# Altium PCB EPS_v1.PcbDoc (part 2 of 4) (continued)
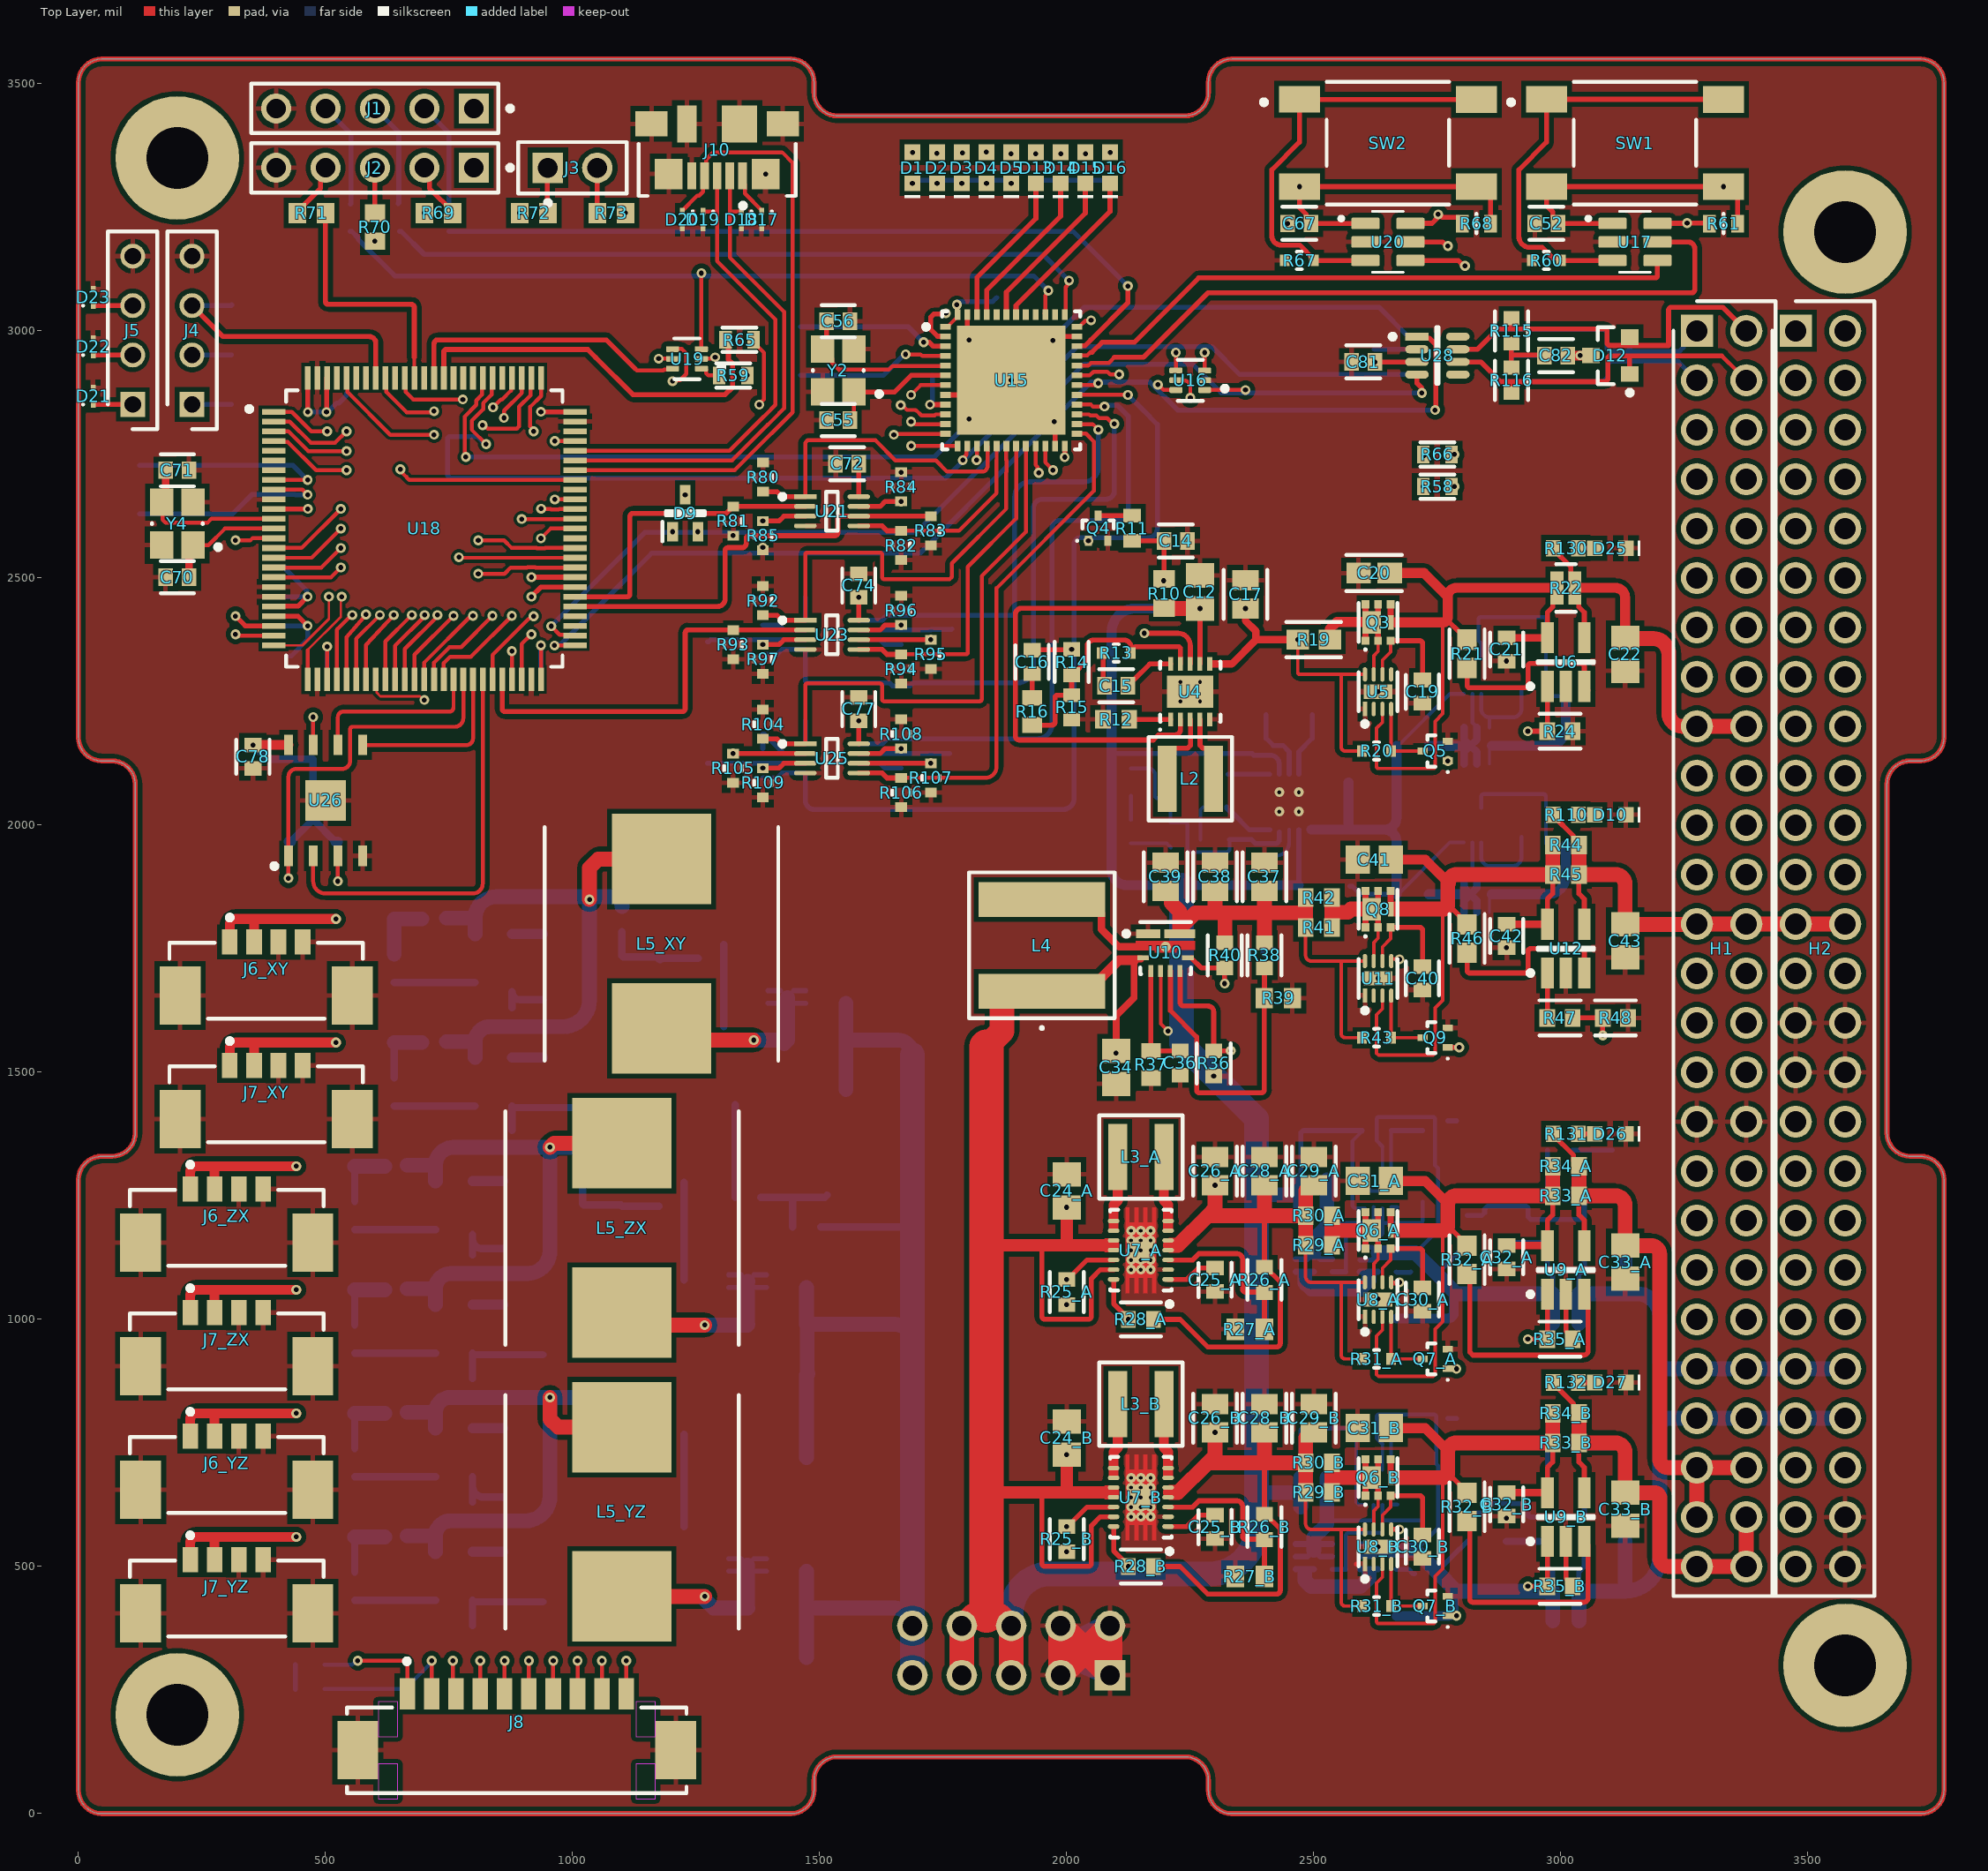
[diagram p0: Top Layer view]
## Part data (continued)
R22 R118_XY R118_YZ R118_ZX R121_XY R121_YZ R121_ZX: library part CMP-28537-000948-1, "25 mOhms ±1% 0.33W Chip Resistor Wide 0306 (0816 Metric), Current Sense Thin Film", Case Code (Imperial)=0306, Case Code (Metric)=0816, Package Quantity=1000, Power Rating=330mW, Resistance=25mR, Temperature Coefficient=200ppm/°C, Tolerance=1%, Height=0.4mm, Length=1.6mm, Packaging="Tape and Reel", RoHS Compliant=Yes, Series=PRL, Technology="THIN FILM", Termination=SMD/SMT, Width=0.8mm
R24 R35_A R35_B R47 R48 R56_M R56_N R57_M R57_N R119_XY R119_YZ R119_ZX R122_XY R122_YZ R122_ZX: library part CMP-2000-00077-5, "RES SMD 4.99KOHM 0.1% 1/10W 0603", Case Code (Imperial)=0603, Case Code (Metric)=1608, Max Operating Temperature=155°C, Max Power Dissipation=100mW, Min Operating Temperature=-55°C, Package Quantity=5000, Resistance=4.99kR, Resistance Tolerance=0.1%, Resistor Type="Thin Film", Temperature Coefficient=25ppm/°C, Voltage Rating=150V, Voltage Rating (DC)=75V, Case/Package=0603, Construction=Rectangular, Contact Plating=Tin, Depth=0.8mm, Features="Automotive AEC-Q200", Height=0.45mm, Lead Free="Lead Free", Length=1.6mm, Military Standard=Not, Mount="Surface Mount", Number of Pins=2, Number of Terminations=2, Packaging="Tape and Reel", Power Rating=100mW, Radiation Hardening=No, Reach SVHC Compliant=Yes, RoHS Compliant=Yes, Series=ERA, Technology="METAL FILM", Termination=SMD/SMT, Tolerance=0.1%, Weight=7.1E-05oz, Width=0.8mm
R27_A R27_B: library part CMP-2000-01245-1, Manufacturer="KOA Speer", Part Number=RK73H1JTTD1803F
R29_A R29_B R30_A R30_B R33_A R33_B R34_A R34_B R41 R42 R44 R45 R49_M R49_N R50_M R50_N R54_M R54_N R55_M R55_N: library part CMP-2000-00867-1, Manufacturer=Panasonic, Part Number=ERJ-L03KF50MV
R37: library part CMP-2000-01698-1, Manufacturer="KOA Speer", Part Number=RK73H1JTTD8252F
R39: library part CMP-2000-00442-1, Manufacturer=Panasonic, Part Number=ERJ-3EKF3323V
R58 R59 R65 R66: library part CMP-00287-21317759-1, "ERJ-P03F1000V SMD Chip Resistor, 100 Ohm, ± 1%, 200 mW, 0603 [1608 Metric], Thick Film, Anti-Surge", Case Code (Imperial)=0603, Case Code (Metric)=1608, Max Operating Temperature=155°C, Min Operating Temperature=-55°C, Power Rating=200mW, Resistance=100Ω, Temperature Coefficient=200ppm/°C, Tolerance=1%, Voltage Rating=150V, Case/Package=0603, Composition="Thick Film", Contact Plating=Tin, Depth=800µm, Height=550µm, Length=1.6mm, Lifecycle Status=Production, Military Standard=Not, Mount="Surface Mount", NexarPartId=21317759, Number of Pins=2, Packaging="Cut Tape", Radiation Hardening=No, REACH SVHC="No SVHC", RoHS=Compliant, Schedule B="8533210045, 8533210045", Termination=Tab, Voltage Rating (DC)=150V
R61 R68 R111 R112 R124_XY R124_YZ R124_ZX R126 R127: library part CMP-2000-00875-2, Case Code (Imperial)=0603, Case Code (Metric)=1608, Max Operating Temperature=155°C, Max Power Dissipation=100mW, Min Operating Temperature=-55°C, Resistance=100kΩ, Temperature Coefficient=25ppm/°C, Tolerance=0.1%, Voltage Rating=75V, Case/Package=0603, Composition="Thin Film", Contact Plating=Tin, Depth=800µm, Features="Automotive AEC-Q200", Height=450µm, Lead Free="Lead Free", Length=1.6mm, Lifecycle Status=Production, Military Standard=Not, Mount="Surface Mount", NexarPartId=1243428, Number of Pins=2, Number of Terminations=2, Packaging="Cut Tape", Power Rating=100mW, Radiation Hardening=No, REACH SVHC="No SVHC", RoHS=Compliant, Schedule B="8533210045, 8533210045", Termination=SMD/SMT, Voltage Rating (DC)=75V, Width=800µm, Working Voltage=75V
R62 R63 R64 R69 R70 R71 R72 R73: library part CMP-2000-00538-1, Manufacturer=Panasonic, Part Number=ERJ-3EKF49R9V
R74 R75 R76 R77 R78 R110 R117 R118 R119 R120 R130 R131 R132: library part CMP-2000-00435-2, "Chip Resistor, 330 Ohm, +/- 1%, 0.1 W, -55 to 155 degC, 0603 (1608 Metric), RoHS, Tape and Reel", Current Rating="500 mA", Max Operating Temperature="85 degC", Min Operating Temperature="-25 degC", Package Quantity=1500, Voltage Rating="10 V", ComponentLink1Description="Manufacturer URL", ComponentLink1URL=http://www.panasonic.com/, ComponentLink2Description=Datasheet, ComponentLink2URL=http://industrial.panasonic.com/cdbs/www-data/pdf/RDA0000/AOA0000C86.pdf, Contact Finish=Gold, Contact Material=Copper, Contact Plating=Gold, DatasheetVersion=Apr-15, Gender=Male, Height="1.45 mm", Lead Pitch="1.1 mm", Length="13.7 mm", Mating Cycles=10000, Mount="Surface Mount", PackageDescription="2-Pin Surface Mount Device, Body 1.6 x 0.85 mm", PackageReference=0603, Packaging="Tape and Reel", Pins=8, REACH SVHC="No SVHC", RoHSCompliant=true, Width="1.45 mm"
R113 R114 R115 R116: library part CMP-13261-005441-1, "Res Thick Film 0603 60.4Ω 1% 0.1W ±100ppm/°C Molded SMD T/R", Case Code (Imperial)=0603, Case Code (Metric)=1608, Max Operating Temperature=155°C, Max Power Dissipation=100mW, Min Operating Temperature=-55°C, Resistance=60.4R, Temperature Coefficient=100ppm/°C, Tolerance=1%, Voltage Rating (DC)=50V, Case/Package=0603, Composition="Thick Film", Contact Plating=Tin, Depth=0.8mm, Features="Moisture Resistant", Height=0.022inch, Lead Free="Lead Free", Length=0.063inch, Military Standard=Not, Number of Terminations=2, Packaging="Tape and Reel", Power Rating=100mW, Radiation Hardening=No, Width=0.031inch
R123_XY R123_YZ R123_ZX: library part CMP-2000-00690-5, "RES SMD 93.1K OHM 1% 1/10W 0603", Case Code (Imperial)=0603, Case Code (Metric)=1608, Max Operating Temperature=155°C, Max Power Dissipation=100mW, Min Operating Temperature=-55°C, Package Quantity=1, Resistance=93.1kR, Resistance Tolerance=1%, Resistor Type="Thick Film", Temperature Coefficient=100ppm/°C, Voltage Rating=75V, Voltage Rating (DC)=50V, Case/Package=0603, Construction=Rectangular, Contact Plating=Tin, Depth=0.8mm, Features="Automotive AEC-Q200", Height=0.022inch, Lead Free="Lead Free", Length=1.6mm, Military Standard=Not, Mount="Surface Mount", Number of Terminations=2, Packaging="Tape and Reel", Power Rating=100mW, Radiation Hardening=No, Reach SVHC Compliant=Yes, RoHS Compliant=Yes, Series=ERJ, Termination=SMD/SMT, Tolerance=1%, Weight=7.1E-05oz, Width=0.8mm
R125: library part CMP-2000-00414-2, Case Code (Imperial)=0603, Case Code (Metric)=1608, Max Operating Temperature=155°C, Max Power Dissipation=100mW, Min Operating Temperature=-55°C, Resistance=300kΩ, Temperature Coefficient=100ppm/°C, Tolerance=1%, Voltage Rating=75V, Case/Package=0603, Composition="Thick Film", Contact Plating=Tin, Depth=800µm, Features="Automotive AEC-Q200", Height=558.8µm, Lead Free="Lead Free", Length=1.6mm, Lifecycle Status=Production, Military Standard=Not, Mount="Surface Mount", NexarPartId=41621939, Number of Terminations=2, Packaging="Cut Tape", Power Rating=100mW, Radiation Hardening=No, REACH SVHC="No SVHC", RoHS=Compliant, Schedule B="8533210045, 8533210045", Termination=SMD/SMT, Voltage Rating (DC)=75V, Width=787.4µm
SW1 SW2: library part CMP-03402-000003-1, "SWITCH TACTILE SPST-NO 0.05A 24V", Contact Current Rating=50mA, Contact Resistance=100mΩ, Manufacturer="TE Connectivity", Operating Force=260gf, Package=0, Temperature="-35°C to +85°C", Temperature Range High=+85°C, Temperature Range Low=-35°C, Voltage Rating Dc=24V, Automotive=No, Category=Switch, ComponentLink2Description=Datasheet, ComponentLink2URL=https://www.te.com/commerce/DocumentDelivery/DDEController?Action=showdoc&DocId=Customer+Drawing%7F2-1437565-7%7FV%7Fpdf%7FEnglish%7FENG_CD_2-1437565-7_V.pdf%7F2-1437565-8, Device Class L1=Electromechanical, Device Class L2=Switches, Device Class L3="Pushbutton Switches", Digikey Description="SWITCH TACTILE SPST-NO 0.05A 24V", Electromechanical Life=100000Cycles, Height=4.59mm, Lead Free=Yes, Manufacturer Part Number=FSM2JSMAA, Mount="Surface Mount", Mouser Description="Tactile Switches TACTILE 260G FORCE S", Octopart=https://octopart.com/fsm2jsmaa-te+connectivity-41720620, RoHS=TRUE, Standoff Height=0.05mm, Throw Configuration=SPST-NO
U1 U4: library part CMP-0492-00076-1, "Wide Input Voltage Synchronous Buck-Boost DC/DC Converter, 10-pin SON (DD-10), -40 to 85 degC, Pb-Free", Frequency Adjust Range="300kHz - 2MHz", Manufacturer="Linear Technology", Code_JEDEC=MO-229, ComponentLink1Description="Manufacturer URL", ComponentLink1URL=http://www.linear.com/, ComponentLink2Description=Datasheet, ComponentLink2URL=http://cds.linear.com/docs/en/datasheet/3530fb.pdf, ComponentLink3Description="Package Specification", ComponentLink3URL=http://cds.linear.com/docs/en/packaging/DFN_10_05-08-1699.pdf, DatasheetVersion="Rev. B", Mounting Technology="Surface Mount", Number of Outputs=1, PackageDescription="10-Pin Plastic DFN, Body 3 x 3 mm, Pitch 0.5 mm", PackageReference=DD-10, PackageVersion="Rev. C, 06/2010", PartNumber=LTC3530EDD#PBF, RoHS=TRUE
U2 U3 U5 U8_A U8_B U11 U13_M U13_N: library part CMP-0474-00015-2, "IC OVP/OCP PROTECTION CTLR 8DFN", Case/Package=DFN, Package Quantity=2500, Number of Circuits=1, Number of Pins=8, Packaging="Tape and Reel", RoHS Compliant=Yes
U6 U9_A U9_B U12 U14_M U14_N U29_XY U29_YZ U29_ZX U30_XY U30_YZ U30_ZX: library part CMP-0359-01984-2, "Single Channel, Low Cost, High Side Current Sense Operational Amplifier, 0.2 MHz Typical GBW, 5-Pin SOT-23 (S5-5), High Temperature / Automotive, Pb-Free, Reel", Linear Technology Part Number=LT6106, Manufacturer="Linear Technology", Channels (#)=1, Code_JEDEC=MO-193, ComponentLink1Description="Manufacturer URL", ComponentLink1URL=http://www.linear.com/, ComponentLink2Description=Datasheet, ComponentLink2URL=http://cds.linear.com/docs/en/datasheet/6106fa.pdf, ComponentLink3Description="Package Specification", ComponentLink3URL=http://cds.linear.com/docs/en/packaging/SOT_5_05-08-1635.pdf, DatasheetVersion="Rev. A", GBW (MHz) Typical=0.2, Is (mA) Typical=0.06, Mounting Technology="Surface Mount", PackageDescription="5-Lead Plastic TSOT-23, Body 1.63 x 2.90 mm, Pitch 0.95 mm", PackageReference=LT-S5-5-TSOT-23, Packing=Reel, PartNumber=LT6106HS5#TRPBF, RevisionNote="URLs updated", RoHS=Pb-Free, Type=CSA, Vos (mV) Guaranteed=0.25, Vos (mV) Typical=0.15, Vs Max (V)=36, Vs Min (V)=2.7
U7_A U7_B: library part CMP-04918-000114-1, "IC REG BCK BST ADJ 3.5A 14VSON", Manufacturer="Texas Instruments", Max Junction Temp=+125°C, Max Supply Voltage=5.5V, Min Supply Voltage=1.8V, Nominal Supply Current=5-25uA, Output Current=2A, Output Voltage=1.2-5.5V, Package=DSJ0014A, Switching Frequency=2400kHz, Temperature="-40°C to +125°C", Temperature Range Low=-40°C, Automotive=Yes, Automotive Grade="Grade 1", Category=IC, ComponentLink2Description=Datasheet, ComponentLink2URL=http://www.ti.com/lit/ds/symlink/tps63020-q1.pdf, Device Class L1="Integrated Circuits (ICs)", Device Class L2="Power Management ICs", Device Class L3="Voltage Regulators - Switching", Digikey Description="IC REG BCK BST ADJ 3.5A 14VSON", Height=1mm, Lead Free=Yes, Manufacturer Part Number=TPS63020QDSJRQ1, Max Duty Cycle=100%, Mouser Description="Switching Voltage Regulators Single Inductor Buck Boost Converter", Number of Outputs=1, Octopart=https://octopart.com/tps63020qdsjrq1-texas+instruments-66805608, Output Type=AdjustableProgrammable, RoHS=TRUE, Standoff Height=0mm, Switching Topology=Buck-Boost, Temperature Range High=+125°C
U10: library part CMP-04918-000693-1, "IC REG BOOST 5.1V 6.5A 9VQFN", Case/Package=VQFN, Max Input Voltage=4.5V, Max Operating Temperature=85°C, Min Input Voltage=2.3V, Min Operating Temperature=-40°C, Min Output Voltage=5.1V, Output Current=6.5A, Quiescent Current=10uA, Switching Frequency=1MHz, Lead Free="Lead Free", Mount="Surface Mount", Number of Outputs=1, Number of Pins=9, Output Configuration=Positive, Output Type=Fixed, Packaging="Cut Tape", RoHS Compliant=Yes, Synchronous Rectifier=Yes, Topology=Boost
U15: library part CMP-12105-000040-2, "IC MCU 32BIT 512KB FLASH 48QFPN", Ambient Temperature Range High=85°C, Frequency=80MHz, Max Junction Temperature (Tj)=105°C, Max Supply Voltage=3.6V, Min Operating Temperature=-40°C, Min Supply Voltage=1.71V, Nominal Supply Current=30nA, Core Architecture="ARM Cortex-M4", Data Bus Width=32b, Flash Memory Size=512kB, Height=650µm, Interface="CAN, I2C, SPI, UART, USART, USB", Lifecycle Status=Production, Max Operating Temperature=85°C, Memory Size=512kB, Memory Type=FLASH, NexarPartId=78661784, Number of A/D Converters=1, Number of ADC Channels=10, Number of Channels=10, Number of D/A Converters=1, Number of I2C Channels=4, Number of I/Os=38, Number of PWM Channels=15, Number of SPI Channels=3, Number of Timers/Counters=1, Number of UART Channels=1, Number of USART Channels=3, Number of USB Channels=1, RAM Size=160kB, RoHS=Non-Compliant
U16 U19: library part CMP-0859-00812-4, "IC BUFFER NON-INVERT 5.5V 6SOT", Case/Package=SOT, High Level Output Current=-32mA, Low Level Output Current=32mA, Max Operating Temperature=125°C, Max Supply Voltage=5.5V, Min Operating Temperature=-40°C, Min Supply Voltage=1.65V, Package Quantity=4000, Quiescent Current=10uA, Contact Plating=Gold, Lead Free="Lead Free", Logic Function=Buffer, Mount="Surface Mount", Number of Bits=2, Number of Bits per Element=1, Number of Channels=2, Number of Elements=2, Number of Gates=2, Number of Input Lines=2, Number Of Inputs=2, Number of Output Lines=2, Number of Outputs=2, Number of Pins=6, Packaging="Tape and Reel", Polarity=Non-Inverting, Propagation Delay=8.6ns, Radiation Hardening=No, REACH SVHC="No SVHC", RoHS Compliant=Yes, Series=74LVC, Technology=CMOS, Turn-On Delay Time=8.6ns
U17 U20: library part CMP-049-000000-1, "Automotive AEC-Q100, nano-powered system timer with watchdog function", Package="SOT-23-THN-6 Texas Instruments", Check_prices=https://www.snapeda.com/parts/TPL5010QDDCTQ1/Texas+Instruments/view-part/?ref=eda, Component Type=Standard, Design Item ID=TPL5010QDDCTQ1, MF="Texas Instruments", MP=TPL5010QDDCTQ1, Pin Count=6, SnapEDA_Link=https://www.snapeda.com/parts/TPL5010QDDCTQ1/Texas+Instruments/view-part/?ref=snap, Source=TPL5010QDDCTQ1.SchLib
U18: library part CMP-12105-000032-1, "IC MCU 32BIT 1MB FLASH 100LQFP", Ambient Temperature Range High=+85°C, Ambient Temperature Range Low=-40°C, Frequency=80MHz, Manufacturer=STMicroelectronics, Max Junction Temp=+105°C, Max Supply Voltage=3.6V, Min Supply Voltage=1.05V, Package=LQFP100-1L, Temperature="-40°C to +85°C", Automotive=No, Category=IC, ComponentLink2Description=Datasheet, ComponentLink2URL=https://www.st.com/content/ccc/resource/technical/document/datasheet/group3/3f/73/19/d1/d4/9e/48/34/DM00284211/files/DM00284211.pdf/jcr:content/translations/en.DM00284211.pdf, Core Architecture="ARM Cortex-M4", Data Bus Width=32bits, Device Class L1="Integrated Circuits (ICs)", Device Class L2="Embedded Processors and Controllers", Device Class L3=Microcontrollers, Digikey Description="IC MCU 32BIT 1MB FLASH 100LQFP", Height=1.6mm, Interface=I2C,SPI,UART,USART,CAN,USB,LIN,IrDA,Other, Lead Free=Yes, Manufacturer Part Number=STM32L496VGT6, Memory Size=1MBytes, Memory Type=FLASH,SRAM, Number of A/D Converters=3, Number of ADC Channels=16, Number Of Cores=1, Number of I2C Channels=4, Number of I/Os=83, Number of PWM Channels=2, Number of SPI Channels=3, Number of Timers/Counters=16, Number of UART Channels=6, Number of USB Channels=1, Octopart=https://octopart.com/stm32l496vgt6-stmicroelectronics-80826723, RAM Size=320KBytes, RoHS=TRUE, Standoff Height=0.05mm, Temperature Range High=+85°C, Temperature Range Low=-40°C
U21 U22 U23 U24 U25: library part CMP-0859-00599-4, "IC GATE OR 2CH 2-INP 8VSSOP", Case/Package=VSSOP, High Level Output Current=-32mA, Low Level Output Current=32mA, Max Operating Temperature=125°C, Max Supply Voltage=5.5V, Min Operating Temperature=-40°C, Min Supply Voltage=1.65V, Operating Supply Voltage=3.3V, Package Quantity=1, Quiescent Current=10uA, Contact Plating=Gold, Lead Free="Lead Free", Logic Function="OR GATE", Max Output Current=32mA, Mount="Surface Mount", Number of Bits=2, Number of Circuits=2, Number of Elements=2, Number of Gates=2, Number of Input Lines=2, Number Of Inputs=2, Number of Output Lines=1, Number of Outputs=1, Number of Pins=8, Output Current=32mA, Packaging="Tape and Reel", Propagation Delay=3.2ns, Radiation Hardening=No, REACH SVHC="No SVHC", RoHS Compliant=Yes, Series=74LVC, Technology=CMOS, Termination=SMD/SMT, Turn-On Delay Time=3.2ns, Weight=0.000339oz
U26: "Integrated Circuit", Manufacturer_Name="Everspin Technologies", Mouser Part Number=936-MR25H40MDF, Arrow Part Number=MR25H40MDF, Arrow Price/Stock=https://www.arrow.com/en/products/mr25h40mdf/everspin-technologies?utm_currency=USD&region=europe, Datasheet Link=https://datasheet.datasheetarchive.com/originals/distributors/Datasheets-DGA23/1514724.pdf, Height=0.9mm, Manufacturer_Part_Number=MR25H40MDF, Mouser Price/Stock=https://www.mouser.co.uk/ProductDetail/Everspin-Technologies/MR25H40MDF?qs=laR3Dyet2Vc5UBOlfE70WA%3D%3D
U27 U28: library part CMP-04872-000198-1, "IC TRANSCEIVER 1/1 SOT23-8", Case/Package=SOT-23, Max Operating Temperature=125°C, Max Supply Voltage=3.6V, Min Operating Temperature=-40°C, Min Supply Voltage=3V, Interface=CAN, Lead Free="Lead Free", Number of Pins=8, Packaging="Cut Tape", REACH SVHC="No SVHC", RoHS Compliant=Yes
U31_XY U31_YZ U31_ZX U33: library part CMP-04895-000170-1, "IC CMOS 1 CIRCUIT SC70-5", Max Operating Temperature=125°C, Min Operating Temperature=-40°C, Gain Bandwidth Product=3MHz, Lead Free="Lead Free", Number of Channels=1, Number of Pins=5, RoHS Compliant=Yes
U32_XY U32_YZ U32_ZX: "Integrated Circuit", Manufacturer_Name="Texas Instruments", Mouser Part Number=595-CSD17318Q2, Arrow Part Number=CSD17318Q2, Arrow Price/Stock=https://www.arrow.com/en/products/csd17318q2/texas-instruments?utm_currency=USD&region=nac, Datasheet Link=https://www.ti.com/lit/ds/symlink/csd17318q2.pdf?ts=1704287484498&ref_url=https%253A%252F%252Fwww.ti.com%252Fproduct%252FCSD17318Q2, Height=0.8mm, Manufacturer_Part_Number=CSD17318Q2, Mouser Price/Stock=https://www.mouser.co.uk/ProductDetail/Texas-Instruments/CSD17318Q2?qs=HXFqYaX1Q2yFLkhHL33iLQ%3D%3D
Y1 Y3: library part CMP-200220-000018-1, "CRYSTAL 32.7680KHZ 6PF SMD", Case/Package=SMD/SMT, ESR (Equivalent Series Resistance)=70kR, Frequency=32.768kHz, Load Capacitance=6pF, Max Operating Temperature=85°C, Min Operating Temperature=-40°C, Ratings=AEC-Q200, Mount="Surface Mount", Packaging="Tape and Reel"
Y2 Y4: library part CMP-200220-000007-1, "CRYSTAL 16.0000MHZ 8PF SMD", Case/Package=SMD/SMT, ESR (Equivalent Series Resistance)=80R, Frequency=16MHz, Frequency Stability=30ppm, Frequency Tolerance=20ppm, Load Capacitance=8pF, Max Operating Temperature=85°C, Min Operating Temperature=-40°C, Package Quantity=3000, Height=0.035inch, Length=0.126inch, Mount="Surface Mount", Number of Pins=4, Packaging="Tape and Reel", Width=0.098inch

## Free pads (board coordinates)
  round 250 hole 125.2: 1(200,3350) 2(3575.2,3200) 3(3575.2,300) 4(200,200)

## Via types
v1: diameter 20, hole 10, Top Layer to Signal, 73 vias
v2: diameter 20, hole 10, Top Layer to Bottom Layer, 52 vias
v3: diameter 20, hole 10, Top Layer to GND1, 48 vias
v4: diameter 19.68, hole 7.87, Top Layer to Bottom Layer, 38 vias
v5: diameter 20, hole 10, Signal to Bottom Layer, 27 vias
v6: diameter 19, hole 10, Top Layer to GND1, 20 vias
v7: diameter 20, hole 10, PWR to Bottom Layer, 18 vias
v8: diameter 20, hole 10, Top Layer to GND2, 12 vias
v9: diameter 20, hole 10, Top Layer to PWR, 11 vias
v10: diameter 20, hole 10, GND2 to Bottom Layer, 10 vias
v11: diameter 20, hole 10, GND1 to Bottom Layer, 9 vias
v12: diameter 19, hole 10, GND2 to Bottom Layer, 4 vias
v13: diameter 19, hole 10, Top Layer to Bottom Layer, 3 vias

## Nets (pads, with @x,y where several pads share a name; then routed paths per layer and width w, separated by ;. In a path a pad name is that pad's centre, name@x,y a point inside that pad or via, vN(x,y) a via of type N, cw(c..) or ccw(c..) an arc to the next point about the centre after c; other vN are vias at no path point)
3V3_1: C33_A.2 H1.47 H1.48 H1.49 R33_A.2 R34_A.2 R131.1 U9_A.4 | length 1206.6
  Top Layer w10: R131.1@2984.41,1375.43 2984.41,1373.46 3025.83,1332.05 3025.83,1320.75 R34_A.2@3036.57,1310 ; R33_A.2@3036.57,1250 3036.57,1211.22 3047.4,1200.39 U9_A.4@3047.4,1149.21
  Top Layer w30: R33_A.2@3036.57,1250 R34_A.2@3036.57,1310 ; R33_A.2@3047.4,1250 3110.32,1250 cw(c3110.32,1230.31) 3130,1230.31 C33_A.2@3130,1149.21 3182.43,1149.21 cw(c3182.43,1131.64) 3200,1131.64 3200,717.57 ccw(c3217.57,717.57) 3217.57,700 H1.47@3275.2,700 ; H1.49@3275.2,600 H1.47@3275.2,700 ; H1.48@3375.2,700 H1.47@3275.2,700
3V3_2: C33_B.2 H1.50 H1.51 H1.52 R33_B.2 R34_B.2 R132.1 U9_B.4 | length 958.9
  Top Layer w10: R132.1@2984.41,872.32 2984.41,870.35 3025.83,828.94 3025.83,820.75 R34_B.2@3036.57,810 ; R33_B.2@3036.57,750 3036.57,711.22 3047.4,700.39 U9_B.4@3047.4,649.21
  Top Layer w30: R33_B.2@3036.57,750 R34_B.2@3036.57,810 ; R33_B.2@3047.4,750 3110.32,750 cw(c3110.32,730.31) 3130,730.31 C33_B.2@3130,649.21 ; 3182.43,649.21 C33_B.2@3130,649.21 ; H1.50@3375.2,600 H1.52@3375.2,500 H1.51@3275.2,500 3217.57,500 cw(c3217.57,517.57) 3200,517.57 3200,638.74 ccw(c3189.53,638.74) 3189.53,649.21 C33_B.2@3130,649.21
5V0: C43.2 H1.25 H1.26 H2.25 H2.26 R44.2 R45.2 R110.1 U12.4 | length 873.5
  Top Layer w10: R110.1@2984.41,2021.02 2984.41,2019.06 3025.83,1977.64 3025.83,1970.75 R44.2@3036.57,1960 ; R45.2@3036.57,1900 3036.57,1861.22 3047.4,1850.39 U12.4@3047.4,1799.21
  Top Layer w30: R45.2@3036.57,1900 R44.2@3036.57,1960 ; R45.2@3047.4,1900 3110.32,1900 cw(c3110.32,1880.31) 3130,1880.31 C43.2@3130,1799.21 H1.25@3280.65,1799.21 ; H1.25@3275.2,1800 H1.26@3375.2,1800 H2.25@3475.2,1800 H2.26@3575.2,1800
5V_INACT: R40.2 U10.8 | length 108.1
  Top Layer w10: U10.8@2252.09,1731.22 2272.34,1710.97 R40.2@2320,1710.97 2319.5,1710.47 v1(2319.5,1679.4)
5V_OCP-PG: U11.5 | length 12.2
  Top Layer w8: 2661.5,1729.37 v1@2669.37,1729.37
  Top Layer w10: v1@2669.37,1729.37 2670.21,1728.53 v1(2673.31,1728.53)
ADC1_IN5: R35_A.1 U9_A.1 U18.23 | length 4312.4
  Top Layer w10: v8(317.9,2422.83) 337.58,2403.15 U18.23@394.88,2403.15 ; v8(2933.07,960) R35_A.1@2972.6,960 U9_A.1@2972.6,1050.79 U9_A.1@2971.89,1051.5
  GND2 w10: v8(317.9,2422.83) 325.83,2414.9 394.05,2346.68 488.01,2346.68 494.45,2340.24 1046.61,2340.24 1708.51,2340.24 1723.86,2355.59 2922.8,2355.59 cw(c2922.8,2295.55) 2982.83,2295.55 2982.83,1009.76 v8(2933.07,960)
ADC1_IN6: R24.1 U6.1 U18.24 | length 2969.5
  Top Layer w8: v8(317.9,2386.2) 321.14,2386.2 323.88,2383.46 U18.24@394.88,2383.46
  Top Layer w10: v8(2933.07,2190) R24.1@2972.6,2190 U6.1@2972.6,2280.79 U6.1@2971.89,2281.5
  GND2 w10: v8(317.9,2386.2) 325.83,2378.27 395.75,2308.35 1046.61,2308.35 2214.55,2308.35 2220.23,2314.03 2565.94,2314.03 2580.34,2299.62 2926.05,2299.62 cw(c2906.25,2281.53) 2933.07,2281.53 v8(2933.07,2190)
ADC1_IN7: R122_YZ.1 U18.25 U30_YZ.1 | length 2576.4
  Top Layer w5: U18.25@394.88,2363.78 453.28,2363.78 506.78,2417.28 v1(506.78,2462.2)
  Signal w8: v1(506.78,2462.2) 506.78,2388.58 562.33,2333.03 562.33,2253.39 562.33,1568.86 562.2,1568.73 562.2,615.45 v5(797.4,380.25)
  Bottom Layer w15: v5(797.4,380.25) U30_YZ.1@797.4,431.43 800.33,428.5 R122_YZ.1@940,428.5
ADC1_IN8: R119_YZ.1 U18.26 U29_YZ.1 | length 2266
  Top Layer w5: 463.78,2354.25 530.86,2421.33 530.86,2460.28 v1(532.78,2462.2)
  Top Layer w8: U18.26@463.78,2294.88 463.78,2354.25
  Signal w8: v1(532.78,2462.2) 530.86,2460.28 530.86,2389.96 581.8,2339.02 581.8,2253.39 581.8,845.85 v5(797.4,630.25)
  Bottom Layer w15: v5(797.4,630.25) U29_YZ.1@797.4,662.73 ; U29_YZ.1@797.4,681.43 U29_YZ.1@797.4,662.73 ; R119_YZ.1@860,639.39 858.92,640.47 819.66,640.47 cw(c819.66,662.73) U29_YZ.1@797.4,662.73
ADC1_IN9: R122_ZX.1 U18.29 U30_ZX.1 | length 1984.3
  Top Layer w5: 523.15,2361.63 523.15,2361.95
  Top Layer w8: U18.29@522.83,2294.88 522.83,2337.91 523.15,2338.23 523.15,2361.63 ; 523.15,2361.95 523.15,2377.72 522.83,2378.04 522.83,2393.81 cw(c530.66,2392.13) 524.97,2397.77 550.04,2422.83 cw(c555.7,2417.18) v1(554.02,2425)
  Signal w8: v1(554.02,2425) 554.02,2392.25 601.4,2344.88 601.4,2253.39 601.4,1076.25 v5(797.4,880.25)
  Bottom Layer w15: v5(797.4,880.25) U30_ZX.1@797.4,931.43 800.33,928.5 R122_ZX.1@940,928.5
ADC1_IN10: R119_ZX.1 U18.30 U29_ZX.1 | length 1651.8
  Top Layer w8: U18.30@542.52,2294.88 542.52,2380.29 v1(582,2426.05)
  Signal w8: v1(582,2426.05) 582,2422.8 575.71,2416.51 575.71,2395.91 620.9,2350.71 620.9,1306.75 v5(797.4,1130.25)
  Bottom Layer w15: v5(797.4,1130.25) U29_ZX.1@797.4,1162.73 ; U29_ZX.1@797.4,1172.08 U29_ZX.1@797.4,1162.73 ; R119_ZX.1@860,1142.98 817.15,1142.98 cw(c817.15,1162.73) U29_ZX.1@797.4,1162.73
ADC1_IN11: R122_XY.1 U18.31 U30_XY.1 | length 1500.7
  Top Layer w5: U18.31@562.2,2294.88 U18.31@562.45,2295.13
  Top Layer w8: U18.31@562.45,2295.13 562.45,2377.43 v1(610.02,2425)
  Signal w8: v1(610.02,2425) 610.02,2421.75 604.02,2415.75 604.02,2390.22 640.6,2353.64 640.6,2253.39 640.6,1618.23 v5@876.73,1382.1
  Bottom Layer w15: v5(877.4,1382.77) U30_XY.1@877.4,1431.43 880.33,1428.5 R122_XY.1@1020,1428.5
ADC1_IN12: R119_XY.1 U18.32 U29_XY.1 | length 1155.1
  Top Layer w5: U18.32@581.89,2294.88 U18.32@581.89,2316
  Top Layer w8: U18.32@581.89,2316 581.89,2364.67 v1(638.02,2425)
  Signal w8: v1(638.02,2425) 638.02,2421.75 632.02,2415.75 632.02,2390.62 660.4,2362.24 660.4,1847.25 v5(877.4,1630.25)
  Bottom Layer w15: v5(877.4,1630.25) 877.4,1662.73 ccw(c893.15,1662.73) 893.15,1646.98 R119_XY.1@940,1646.98
ADC1_IN13: C87_YZ.1 U18.33 U31_YZ.3 U31_YZ.4 | length 2223.5
  Top Layer w5: U18.33@601.57,2294.88 603.17,2293.29 603.17,2268.6 611.01,2260.76 691.15,2260.76 v1@698.52,2253.39
  Top Layer w15: v1@698.52,2253.39 698.65,2253.26 v1(700,2253.26)
  Signal w8: v1(700,2253.26) 751.1,2253.26 798.43,2205.94 798.43,1790.17 920.56,1668.04 920.56,776.43 929.34,767.64 v5(1225.59,767.64)
  Bottom Layer w15: C87_YZ.1@1225.59,581.04 U31_YZ.4@1225.59,641.12 U31_YZ.3@1225.59,727.73 v5(1225.59,767.64)
ADC1_IN14: C87_ZX.1 U18.34 U31_ZX.3 U31_ZX.4 | length 1786.8
  Top Layer w5: v1@672.55,2423.11 v1(674.53,2425.08)
  Top Layer w8: U18.34@621.26,2294.88 621.26,2371.82 v1@672.55,2423.11
  Signal w8: v1(674.53,2425.08) 674.61,2425 674.61,2398.94 699.9,2373.65 699.9,2351.3 797.81,2253.39 966.6,2084.6 966.6,1432.3 1121.5,1277.4 v5(1225.59,1277.4)
  Bottom Layer w15: C87_ZX.1@1225.59,1079.77 U31_ZX.4@1225.59,1142.06 U31_ZX.3@1225.59,1228.68 v5(1225.59,1277.4)
ADC1_IN15: C87_XY.1 U18.35 U31_XY.3 U31_XY.4 | length 1240.2
  Top Layer w5: U18.35@640.94,2294.88 643.67,2297.6 U18.35@640.94,2300.32
  Top Layer w8: U18.35@640.94,2300.32 640.94,2363.22 700.61,2422.88 v1(700.61,2425)
  Signal w8: v1(700.61,2425) 700.61,2401.59 848.81,2253.39 1305.59,1796.61 v5(1305.59,1758.07)
  Bottom Layer w15: C87_XY.1@1305.59,1592.48 U31_XY.4@1305.59,1644.25 U31_XY.3@1305.59,1730.87 v5(1305.59,1758.07)
ADC1_IN16: C97.1 U18.36 U33.3 U33.4 | length 1590.4
  Top Layer w5: U18.36@660.63,2294.88 663.91,2298.16 U18.36@660.63,2301.44 ; v1@726.61,2422.29 v1(726.61,2425)
  Top Layer w8: U18.36@660.63,2301.44 660.63,2356.31 v1@726.61,2422.29
  Signal w8: v1(726.61,2425) 727.8,2423.81 727.8,2403 1332.09,1798.71 1332.09,1443.4 1331.13,1442.44 1331.13,1436.07 v5(1329.41,1434.35)
  Bottom Layer w15: U33.3@1329.41,1246.69 U33.4@1329.41,1333.31 C97.1@1329.41,1400.77 v5(1329.41,1434.35)
ADC3_IN1: R56_N.2 R57_N.1 U18.15 | length 4806.4
  Top Layer w8: U18.15@394.88,2560.63 451.7,2560.63 v8(530.86,2639.78)
  GND2 w10: v8(530.86,2639.78) 3128.8,2639.78 cw(c3128.8,2589.78) 3178.8,2589.78 3178.8,814.41 v10(3104.39,740)
  Bottom Layer w10: R56_N.2@3023.82,740 v10(3104.39,740)
ADC3_IN2: R56_M.2 R57_M.1 U18.16 | length 4091.3
  Top Layer w8: U18.16@394.88,2540.94 471.8,2540.94 v8(530.86,2600)
  GND2 w10: v8(530.86,2600) 3084.71,2600 cw(c3084.71,2554.71) 3130,2554.71 3130,1365.61 v10(3104.39,1340)
  Bottom Layer w10: R56_M.2@3023.82,1341.97 R57_M.1@3104.39,1341.97
ADC3_IN3: R47.2 R48.1 U18.17 | length 3774.9
  Top Layer w8: U18.17@394.88,2521.26 491.49,2521.26 v8(530.86,2560.63)
  Top Layer w10: R47.2@3023.82,1610 R48.1@3084.71,1610 v8(3084.71,1574.57)
  GND2 w10: v8(530.86,2560.63) 3052.87,2560.63 cw(c3052.87,2528.79) 3084.71,2528.79 v8(3084.71,1574.57)
ADC3_IN4: R35_B.1 U9_B.1 U18.18 | length 4874.6
  Top Layer w8: U18.18@394.88,2501.57 511.17,2501.57 v8(530.86,2521.26)
  Top Layer w10: v8(2933.07,460) R35_B.1@2972.6,460 U9_B.1@2972.6,550.79 U9_B.1@2971.89,551.5
  GND2 w10: v8(530.86,2521.26) 3010,2521.26 cw(c3010,2493.94) 3037.32,2493.94 3037.32,564.25 v8(2933.07,460)
ADC_SR1: J8.7 U15.10 | length 3390.7
  Top Layer w8: J8.7@960.82,242.39 v3(960.82,309.4) ; v3(1663.9,2849.7) 1667.15,2849.7 1676.81,2840.04 1694.58,2840.04 1695.51,2839.1 1705.83,2828.79 1732.34,2828.79 1734.66,2831.1 U15.10@1754.73,2831.1
  GND1 w10: v3(960.82,309.4) 1127.72,476.3 1317.2,476.3 1810.64,969.74 1810.64,2412.01 1544.21,2678.45 1544.21,2832.5 1561.41,2849.7 v3(1663.9,2849.7)
ADC_SR2: J8.8 U15.11 | length 3289
  Top Layer w8: J8.8@1010.03,242.39 v3(1010.03,309.4) ; v3(1684.84,2816.54) 1688.09,2816.54 1693.21,2811.42 1695.51,2811.42 U15.11@1754.73,2811.42
  GND1 w10: v3(1010.03,309.4) 1100.91,400.28 1311.12,400.28 1858.07,947.23 1858.07,2425.14 1614.5,2668.71 1614.5,2811.85 1619.19,2816.54 v3(1684.84,2816.54)
ADC_SR3: J8.9 U15.14 | length 3057.2
  Top Layer w8: J8.9@1059.24,242.39 v3(1059.24,309.4) ; v3(1789.58,2738.43) 1789.58,2741.67 1797.24,2749.33 1797.24,2765.35 U15.14@1799.02,2767.13
  GND1 w10: v3(1059.24,309.4) 1103.17,353.33 1330.33,353.33 1901.8,924.8 1901.8,2602.84 1789.58,2715.07 v3(1789.58,2738.43)
ADC_SR4: J8.10 U15.15 | length 3078.5
  Top Layer w8: J8.10@1108.46,242.39 v3(1108.46,309.4) ; v3(1817.57,2738.79) 1818.14,2739.35 1818.14,2766.56 U15.15@1818.7,2767.13
  GND1 w10: v3(1108.46,309.4) 1356.5,309.4 1955,907.9 1955,2602.13 1818.7,2738.43 1818.34,2738.79 v3(1817.57,2738.79)
CAN1_RX: U18.81 U27.1 | length 2421.9
  Top Layer w8: v2@824.45,2771.4 795.82,2800.03 795.82,2818.25 818.97,2841.41 818.97,2853.71 835.89,2870.63 835.89,2903.21 U18.81@837.8,2905.12
  Bottom Layer w10: v2(825,2770.9) 822.74,2770.9 807.92,2785.71 751.39,2785.71 ccw(c751.39,2781.03) 746.7,2781.03 746.7,2707.61 752.56,2701.75 1046.61,2701.75 1754.35,2701.75 1791.03,2738.43 2021.05,2968.45 2049.17,2968.45 2293.38,2968.45 2350.22,2911.61 U27.1@2708.64,2911.61
CAN1_TX: U18.82 U27.4 | length 2251
  Top Layer w8: v2(783.9,2744.9) 781.6,2747.2 781.6,2826.66 804.97,2850.03 804.97,2859.51 816.33,2870.87 816.33,2903.34 U18.82@818.11,2905.12
  Bottom Layer w10: v2(783.9,2744.9) 1046.61,2744.9 1695.51,2744.9 1732.18,2744.9 2034.92,3047.64 2049.17,3047.64 2632.12,3047.64 2691.37,2988.39 U27.4@2708.64,2988.39
CAN2_RX: U18.51 U28.1 | length 2243.6
  Top Layer w8: v5(963.3,2363.44) 963.47,2363.61 1002.01,2363.61 U18.51@1002.6,2364.2
  Top Layer w10: U28.1@2708.64,2988.39 2711.57,2985.46 2733.59,2985.46 2747,2972.05 2747,2841.54 v1(2745.37,2839.91)
  Bottom Layer w10: v5(963.3,2363.44) 965.22,2365.36 975.05,2365.36 1046.61,2436.92 1159.89,2550.2 1703.15,2550.2 1891.38,2738.43 2049.17,2896.22 2168.29,2896.22 2224.6,2839.91 v1(2745.37,2839.91)
  other v1: 963.3,2363.44
  other v5: 2745.37,2839.91
CAN2_TX: U18.52 U28.4 | length 2103.1
  Top Layer w8: v1(956.7,2402.6) 974.06,2385.24 1003.34,2385.24 U18.52@1005.12,2383.46
  Top Layer w10: U28.4@2708.64,2911.61 2708.64,2894.17 2718.62,2884.19 v1(2718.62,2874.54)
  Bottom Layer w10: v1(956.7,2402.6) 1046.61,2492.51 1146.14,2592.04 1694.59,2592.04 1840.97,2738.43 2035.19,2932.64 2049.17,2932.64 2254.56,2932.64 2312.66,2874.54 v1(2718.62,2874.54)
  other v5: 956.7,2402.6 2718.62,2874.54
CAN_A_H: D11.2 H1.3 R113.1 U27.7 | length 597.4
  Bottom Layer w10: U27.7@2791.36,2937.2 2837.97,2937.2 2878.01,2897.17 2900,2897.17 ; R113.1@2900,2874.36 2900,2897.17 ; D11.2@3139.1,2913.1 3139.1,2938.5 ; H1.3@3275.2,2900 3236.7,2938.5 3139.1,2938.5 ; 2900,2897.17 3086.11,2897.17 3094.8,2905.86 3094.8,2932.64 3100.66,2938.5 3139.1,2938.5
CAN_A_L: D11.1 H1.1 R114.2 U27.6 | length 609.1
  Bottom Layer w10: U27.6@2791.36,2962.8 2831.19,2962.8 2871.22,3002.83 2900,3002.83 3087.64,3002.83 3093.5,2996.97 3093.5,2963.86 3099.36,2958 3139.1,2958 ; 2900,3003.83 R114.2@2900,3025.64 ; D11.1@3139.37,2987.4 3139.37,2958.27 3139.1,2958 ; H1.1@3275.9,2994.8 3270,2994.8 3247.72,2972.52 3247.72,2966.62 3246.72,2965.62 3239.1,2958 3139.1,2958
CAN_B_H: D12.2 H1.2 R115.1 U28.7 | length 760.1
  Top Layer w10: U28.7@2791.36,2962.8 2831.19,2962.8 2872.39,3004 2899.5,3004 ; R115.1@2899.5,3027.14 2899.5,3004 ; D12.2@3139.37,2987.4 3138.9,2986.93 3138.9,2970.4 ; H1.2@3372.2,3003 3327.5,3047.7 3223.77,3047.7 ccw(c3223.77,3041.84) 3217.91,3041.84 3217.91,2970.4 3138.9,2970.4 ; 2899.5,3004 3087.64,3004 cw(c3087.64,2998.14) 3093.5,2998.14 3093.5,2976.26 ccw(c3099.36,2976.26) 3099.36,2970.4 3138.9,2970.4
CAN_B_L: D12.1 H1.4 R116.2 U28.6 | length 711.2
  Top Layer w8: 3325.6,2949.6 3358.1,2917.1 H1.4@3364.7,2917.1
  Top Layer w10: U28.6@2791.36,2937.2 2837.97,2937.2 2878.01,2897.17 3088.94,2897.17 ccw(c3088.94,2903.03) 3094.8,2903.03 3094.8,2943.74 cw(c3100.66,2943.74) 3100.66,2949.6 3138.6,2949.6 ; R116.2@2900,2874.36 2900,2896.17 ; D12.1@3139.37,2912.6 3139.2,2912.6 3138.6,2912 3138.6,2949.6 ; 3325.6,2949.6 3138.6,2949.6
DEBUG_LED1: D1.1 U18.98 | length 1472.8
  Top Layer w8: v3(502,2835.81) v3@502.58,2836.38
  Top Layer w10: v3@502.58,2836.38 502.58,2904.55 U18.98@503.15,2905.12
  GND1 w10: v3(502,2835.81) 612.81,2946.61 754,3087.8 1520.89,3087.8 1687.6,3254.51 v3(1687.6,3298.5)
DEBUG_LED1_SR: D13.1 U15.46 | length 314.9
  Top Layer w10: U15.46@1818.7,3032.87 1818.7,3061.57 1818.7,3108.49 1937.6,3227.38 D13.1@1937.6,3298.5
DEBUG_LED2: D2.1 U18.1 | length 1600.1
  Top Layer w8: U18.1@394.88,2836.22 431.96,2836.22 471.33,2796.85 v3(503.15,2796.85)
  GND1 w10: v3(503.15,2796.85) 652.91,2946.61 759.18,3052.88 1548.73,3052.88 1737.6,3241.75 v3(1737.6,3298.5)
DEBUG_LED2_SR: D14.1 U15.45 | length 327.4
  Top Layer w10: U15.45@1838.39,3032.87 1838.39,3061.57 1838.39,3082.72 1987.6,3231.93 D14.1@1987.6,3298.5
DEBUG_LED3: D3.1 U18.2 | length 1667.1
  Top Layer w8: U18.2@394.88,2816.54 427.58,2816.54 470.26,2773.85 519.52,2773.85 v3(542.52,2796.85)
  GND1 w10: v3(542.52,2796.85) 692.28,2946.61 760.37,3014.7 1571.06,3014.7 1787.6,3231.24 v3(1787.6,3298.5)
DEBUG_LED3_SR: D15.1 U15.43 | length 331.8
  Top Layer w10: U15.43@1877.76,3032.87 1877.76,3061.57 1877.76,3078.39 2037.6,3238.23 D15.1@2037.6,3298.5
DEBUG_LED4: D4.1 U18.3 | length 1732.9
  Top Layer w8: U18.3@394.88,2796.85 395.25,2796.48 425.01,2796.48 464.64,2756.85 v3(542.52,2756.85)
  GND1 w10: v3(542.52,2756.85) 542.52,2757.48 731.65,2946.61 761.93,2976.89 1599.41,2976.89 1837.6,3215.08 v3(1837.6,3298.5)
DEBUG_LED4_SR: D16.1 U15.42 | length 344.4
  Top Layer w10: U15.42@1897.44,3032.87 1897.44,3051.34 2087.6,3241.5 D16.1@2087.6,3298.5
DEBUG_LED5: D5.1 U18.4 | length 1814.1
  Top Layer w8: U18.4@396.66,2775.39 423.47,2775.39 480.75,2718.11 v3(542.52,2718.11)
  GND1 w10: v3(542.52,2718.11) 747.24,2922.83 1046.61,2922.83 1160.6,2922.83 1164.09,2919.34 1188.7,2919.34 1192.19,2922.83 1278.37,2922.83 1278.65,2922.56 1298.53,2922.56 1298.81,2922.83 1331.89,2922.83 1343.4,2934.34 1618.86,2934.34 1695.51,3011 1746.09,3061.57 1887.6,3203.08 v3(1887.6,3298.5)
DEBUG_UART_RX: D8.1 J4.3 U18.93 | length 556.9
  Top Layer w10: J4.3@229.84,3051.2 292.62,2988.42 588.78,2988.42 cw(c588.78,2975.63) 601.57,2975.63 U18.93@601.57,2905.12
  Bottom Layer w10: J4.3@229.84,3051.2 308.92,3051.2 309.9,3052.18 D8.1@309.9,3053.1
DEBUG_UART_TX: D7.1 J4.2 U18.68 | length 1390.2
  Top Layer w8: v1(651.3,2719.93) 651.3,2716.68 663.62,2704.36 663.62,2704.08 669.28,2698.43 U18.68@1005.12,2698.43
  Signal w8: J4.2@229.84,2951.2 273.04,2908 273.04,2564.56 ccw(c284.6,2564.56) 284.6,2553 353.6,2553 ccw(c353.6,2566.72) 367.32,2566.72 367.32,2706.43 cw(c380.81,2706.43) 380.81,2719.93 v1(651.3,2719.93)
  Bottom Layer w10: J4.2@229.6,2950 230.8,2951.2 D7.1@309.84,2951.2
DONE: U18.65 U20.4 | length 2643.2
  Top Layer w8: v1(936.22,2640.28) 937.13,2639.37 955.5,2639.37 955.81,2639.06 972.38,2639.06 972.7,2639.37 U18.65@1005.12,2639.37
  Top Layer w10: U20.4@2695.47,3142.6 2792.3,3142.6 2803.26,3131.64 v1(2805.96,3131.64)
  Signal w8: v1(936.22,2640.28) 937.45,2639.06 1034.21,2639.06 1046.61,2651.46 1105.16,2710 1793.05,2710 ccw(c1793.05,2723.58) 1806.63,2723.58 1806.63,2978 ccw(c1775.38,2978) 1775.38,3009.25 1731.04,3009.25 cw(c1731.04,3030.39) 1709.9,3030.39 1709.9,3056.71 cw(c1728.56,3056.71) 1728.56,3075.37 1935.69,3075.37 1951.57,3059.5 2032.55,3059.5 2039.6,3066.55 2740.88,3066.55 v1(2805.96,3131.64)
DONE_SR: U15.33 U17.4 | length 1273.9
  Top Layer w8: U15.33@2020.47,2949.21 2021.38,2950.12 2041.28,2950.12 2047.87,2956.71 2049.17,2956.71
  Top Layer w10: 2049.17,2956.71 2051.3,2956.71 2071.56,2976.98 2136.83,2976.98 2266.95,3107.1 3190.79,3107.1 ccw(c3190.79,3111.79) 3195.47,3111.79 U17.4@3195.47,3142.6
EN_3V3_1: Q7_A.1 R91.2 U22.3 | length 2680.7
  Top Layer w10: Q7_A.1@2770.98,900.31 2771.14,900.16 2788.4,900.16 v1(2788.56,900)
  Signal w10: v5(1665,2365.16) 1820.39,2365.16 1835.36,2380.12 2722.2,2380.12 cw(c2722.2,2367.53) 2734.8,2367.53 2734.8,953.76 v1(2788.56,900)
  Bottom Layer w10: U22.3@1579.17,2375.16 1622.43,2375.16 1632.43,2365.16 v5(1665,2365.16)
EN_3V3_1_BUCK: R25_A.2 R90.2 U7_A.12 U22.7 | length 2146.2
  Top Layer w10: R25_A.2@2002.08,1080.94 2041.45,1120.31 U7_A.12@2094.88,1120.31
  Signal w10: v5(1385,2404.84) 1344.81,2364.65 1344.81,2090.39 1385,2050.2 1957.24,2050.2 1963.1,2044.34 1963.1,1117.84 v1(2000,1080.94)
  Bottom Layer w10: v5(1385,2404.84) 1417.57,2404.84 1427.57,2394.84 U22.7@1470.83,2394.84
EN_3V3_1_BUCK_EPS: R87.2 U18.58 U22.2 | length 1200.4
  Top Layer w10: v3(916.54,2501.57) U18.58@1005.12,2501.57
  GND1 w10: v3(916.54,2501.57) 950.96,2536 1046.61,2536 1628.43,2536 v11(1767.41,2397.02)
  Bottom Layer w10: U22.2@1579.17,2394.84 1725.41,2394.84 1726.5,2395.93 1766.32,2395.93 v11(1767.41,2397.02)
EN_3V3_1_BUCK_SR: R86.2 U15.26 U22.1 | length 884.3
  Top Layer w8: U15.26@2020.47,2811.42 2049.17,2811.42 2052.65,2811.42 v2(2064.1,2799.97)
  Bottom Layer w10: U22.1@1579.17,2414.53 1626.36,2414.53 1636.36,2424.53 R86.2@1665,2424.53 1888.74,2424.53 ccw(c1888.74,2430.39) 1894.6,2430.39 1894.6,2663.78 cw(c1925.26,2663.78) 1925.26,2694.44 2034.1,2694.44 ccw(c2034.1,2724.44) 2064.1,2724.44 v2(2064.1,2799.97)
EN_3V3_1_EPS: R89.2 U18.45 U22.6 | length 747.8
  Top Layer w5: 911.41,2417.71 912.11,2417.71 917.11,2422.7 v3(921.17,2422.7)
  Top Layer w8: U18.45@837.8,2294.88 837.8,2344.09 911.41,2417.71
  GND1 w10: v3(921.17,2422.7) 921.31,2422.7 933.01,2434.4 1046.61,2434.4 1209.47,2434.4 v11(1273.02,2370.84)
  Bottom Layer w10: v11(1273.02,2370.84) 1275.46,2370.84 1279.77,2375.16 1324.59,2375.16 U22.6@1470.83,2375.16